# Altium PCB AltitudeDynamicsControlBoard.PcbDoc (part 1 of 3) (continued)
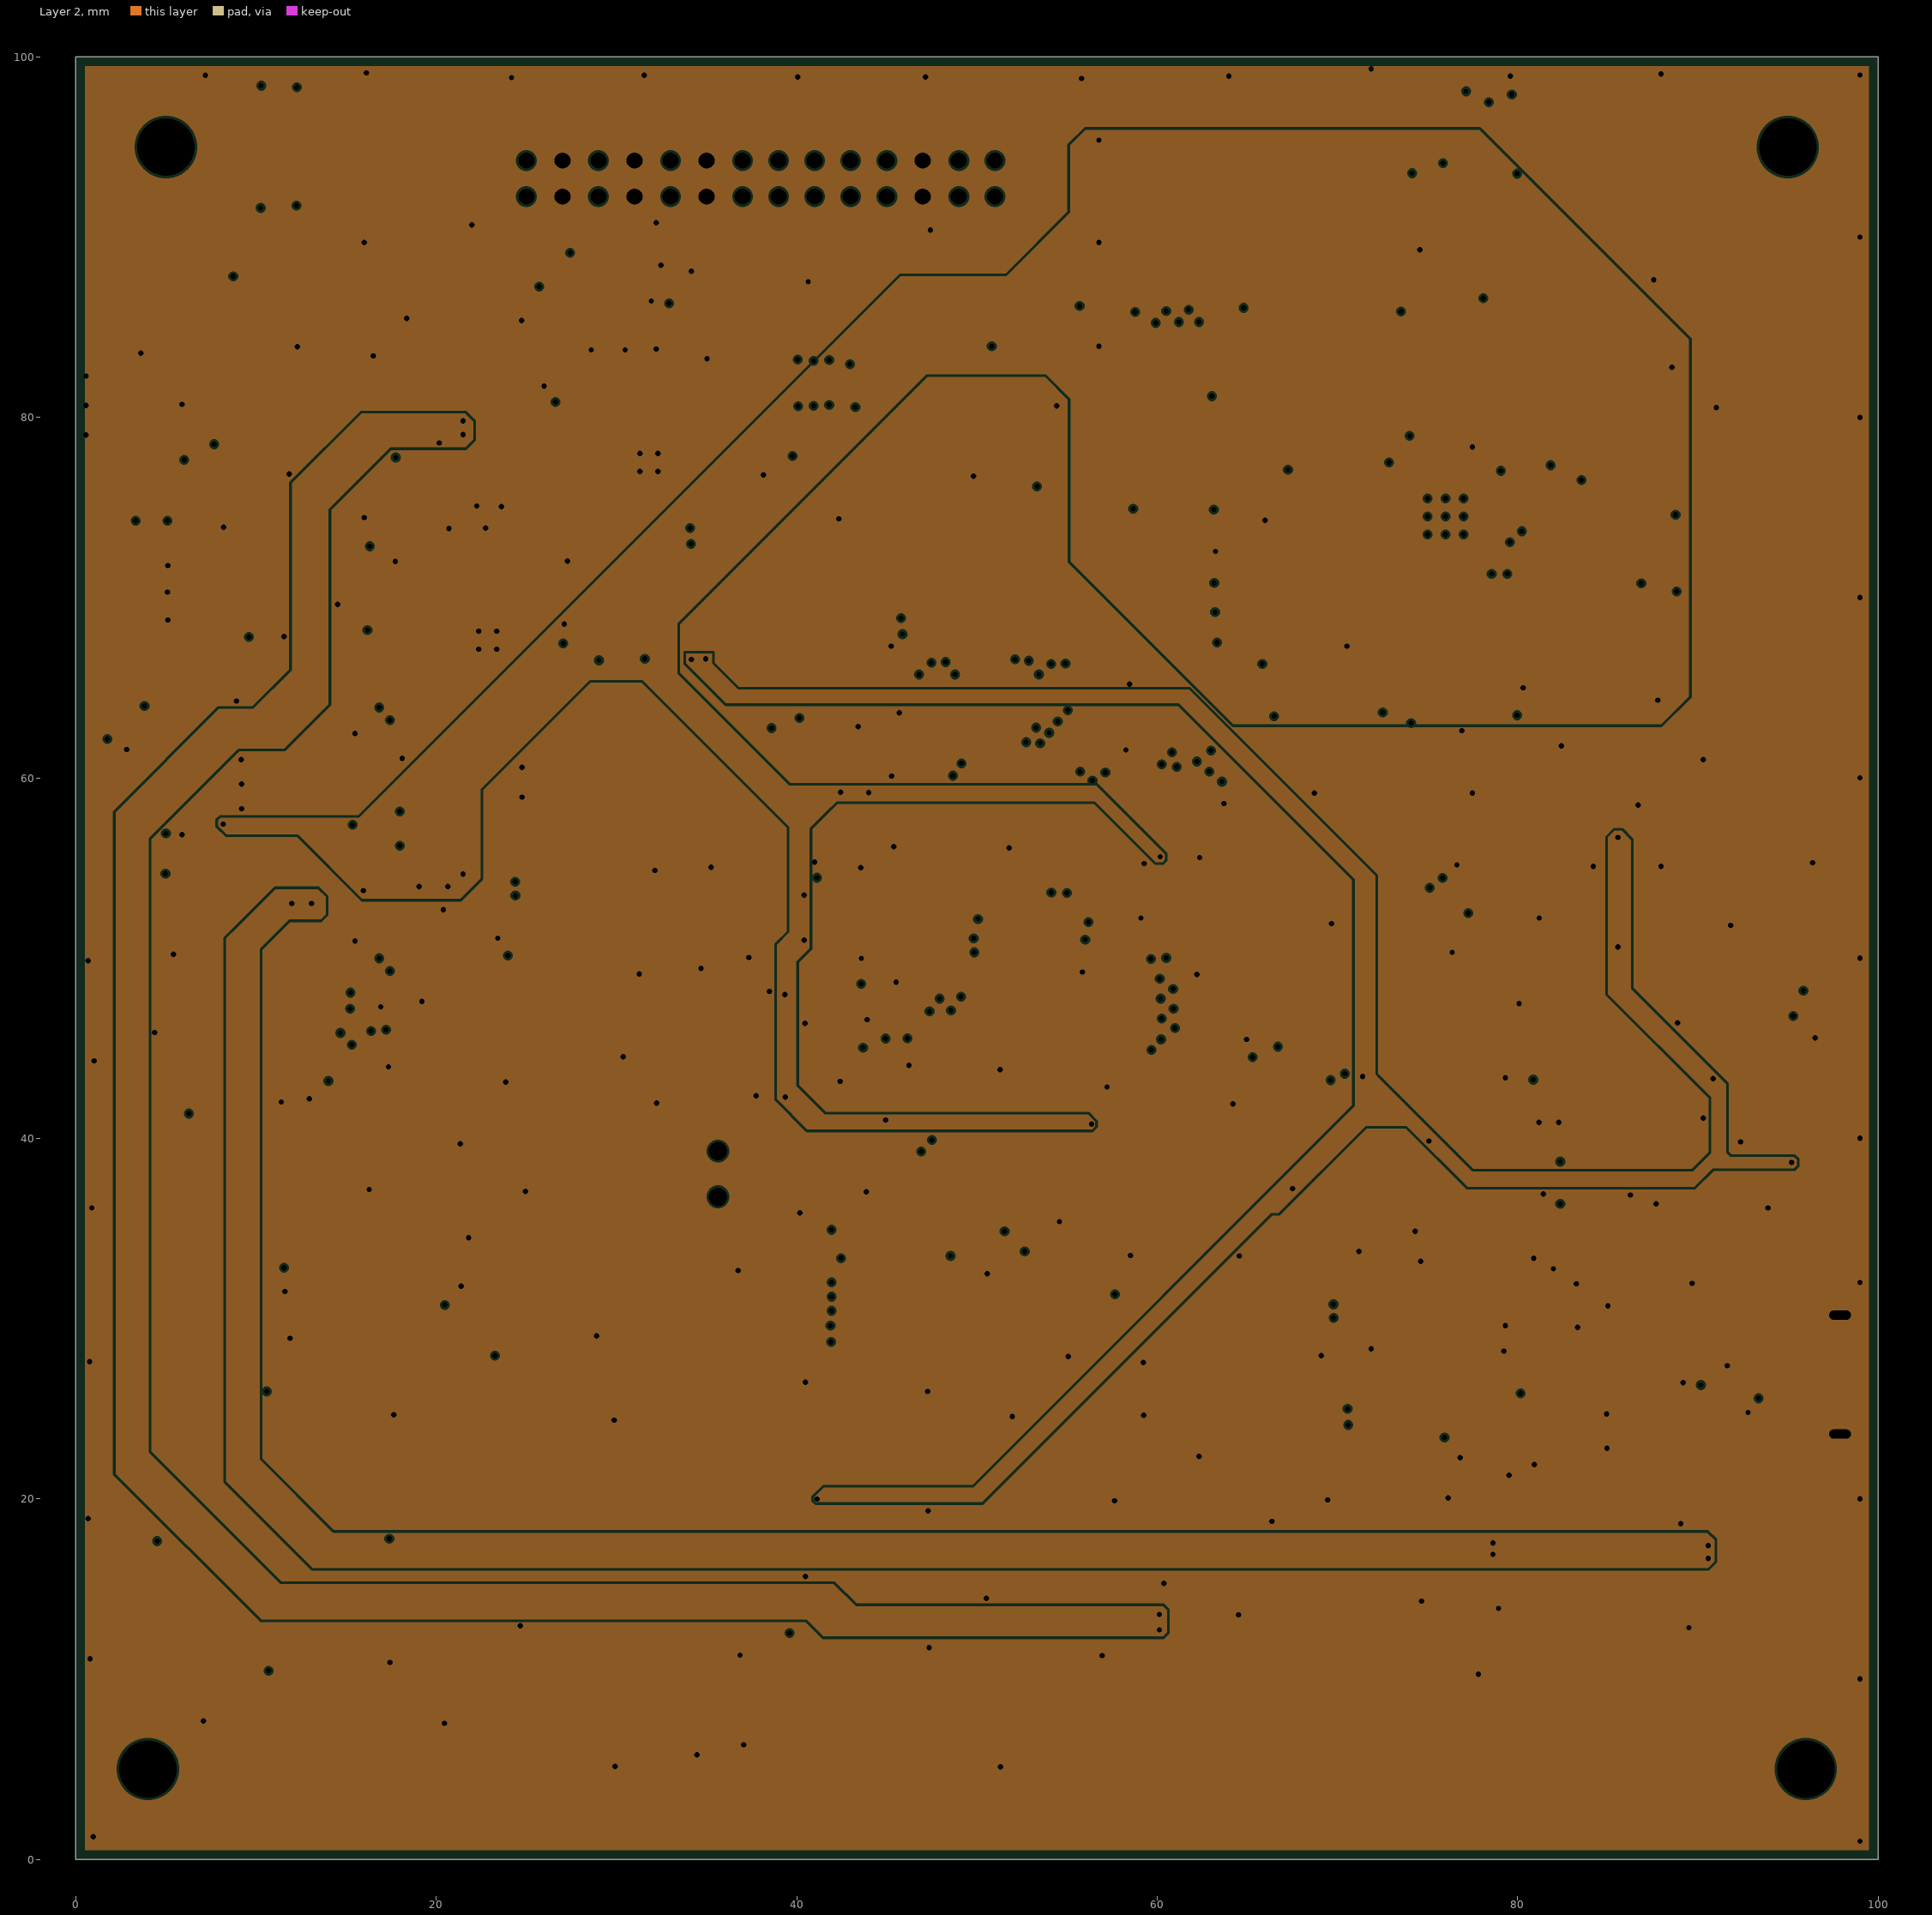
[diagram p3: Layer 2, clearances drawn from the general rule]
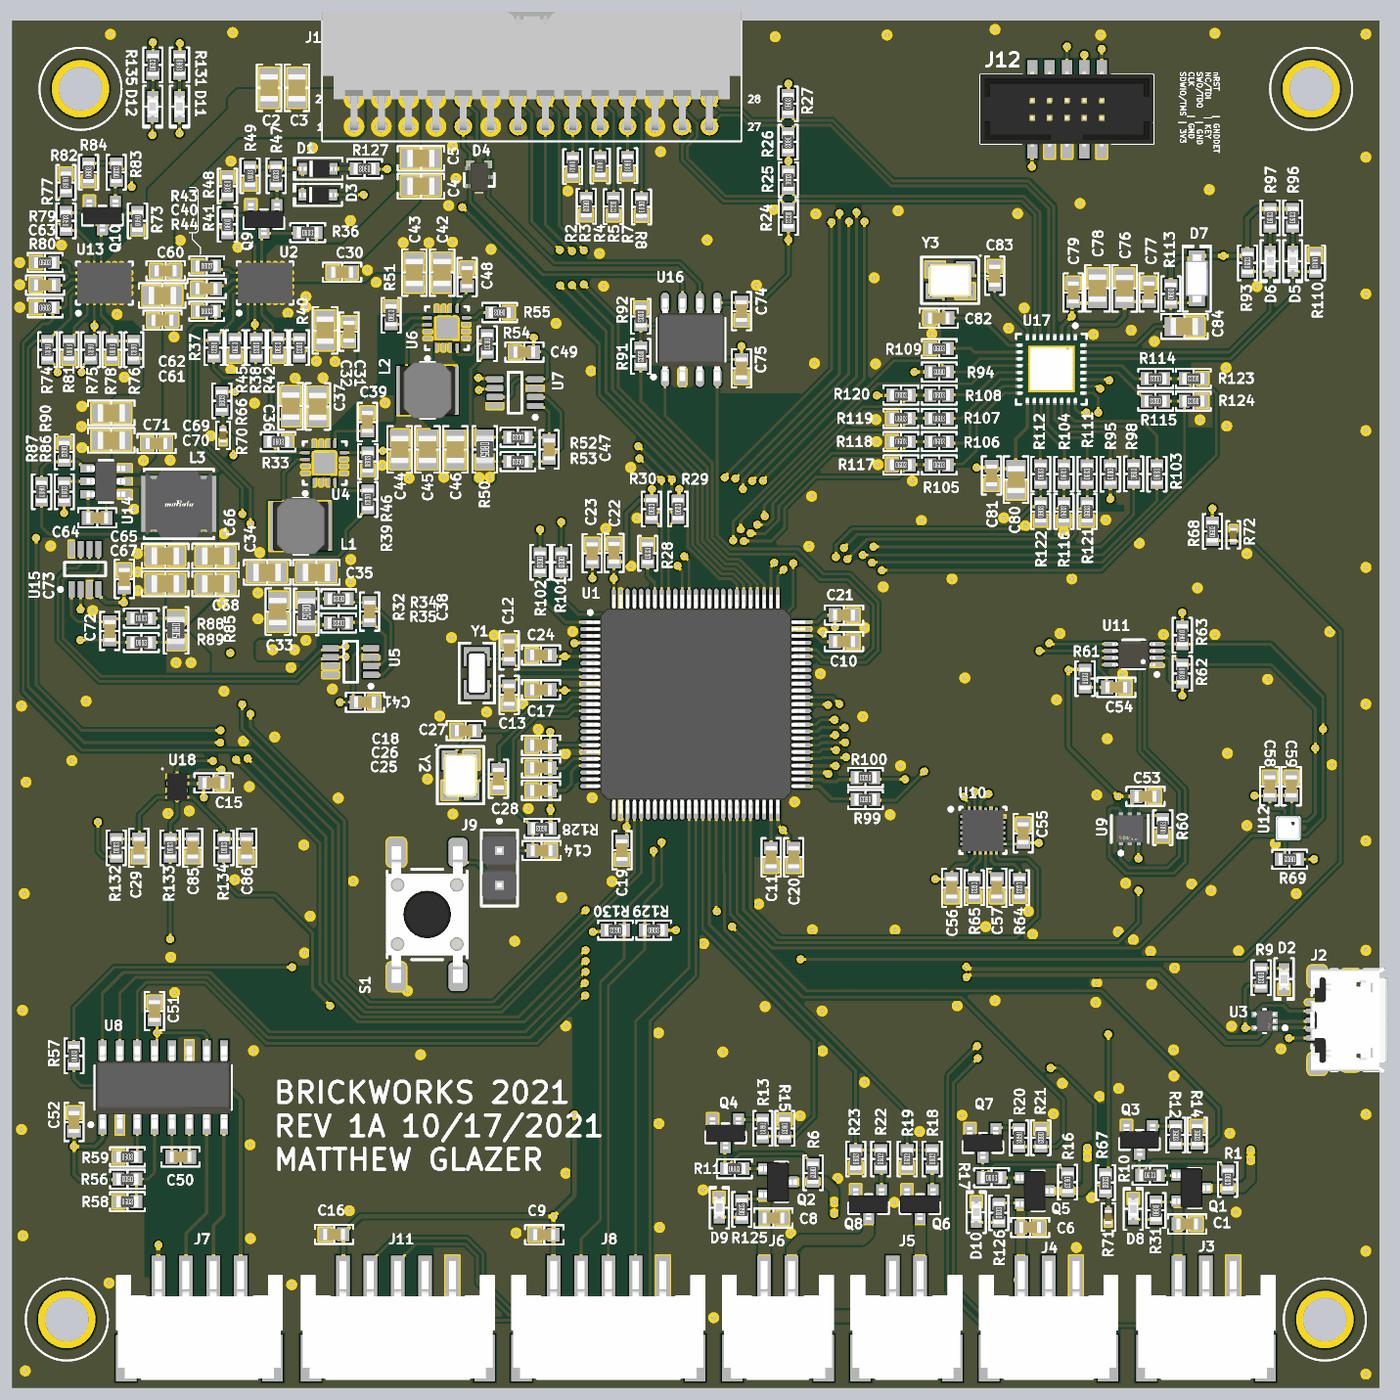
[diagram p6: 3D render of the assembled board from above, using the file's embedded part models]

## Layer stack, top to bottom
Top Solder: solder mask 0.01, SM-001, Dk 4
Top Layer: signal copper 0.041
Dielectric 2: prepreg 0.23, PP-018, Dk 4.3
Layer 1: plane copper 0.035, net GND
Dielectric 1: core 0.93, Core-028, Dk 4.3
Layer 2: plane copper 0.035, net (Multiple Nets)
Dielectric 3: prepreg 0.23, PP-018, Dk 4.3
Bottom Layer: signal copper 0.041
Bottom Solder: solder mask 0.01, SM-001, Dk 4

## Board outline
0,0 100,0 100,100 0,100

## Design rules (kind name [scope] priority, off if disabled: settings)
Clearance [All] p1: gap=0.152 ignorepadtopadclearanceinfootprint=TRUE
DiffPairsRouting DiffPairsRouting100 [InDifferentialPairClass('DIFF100')] p1: maxlimit=0.152 minlimit=0.152 mostfreqgap=0.152 toplayer_minwidth=0.208 toplayer_maxwidth=0.208 toplayer_prefwidth=0.208 bottomlayer_minwidth=0.208 bottomlayer_maxwidth=0.208 bottomlayer_prefwidth=0.208 impedanceprofiledriven=TRUE impedanceprofileid={7B3E20F4-9C80-4280-9D85-EA95160FAB16} impedanceprofilevalue=100.000000 maxuncoupledlength=12.7
DiffPairsRouting DiffPairsRouting90 [InDifferentialPairClass('DIFF90')] p2: maxlimit=0.152 minlimit=0.152 mostfreqgap=0.152 toplayer_minwidth=0.277 toplayer_maxwidth=0.277 toplayer_prefwidth=0.277 bottomlayer_minwidth=0.277 bottomlayer_maxwidth=0.277 bottomlayer_prefwidth=0.277 impedanceprofiledriven=TRUE impedanceprofileid={0C844DF8-695A-43E3-AC1D-AF0915BA2444} impedanceprofilevalue=90.000000 maxuncoupledlength=12.7
HoleSize [All] p1: absolutevalues=TRUE maxlimit=5.08 minlimit=0.254 maxpercent=80.000 minpercent=20.000
HoleToHoleClearance [All] p1: gap=0.127 allowstackedmicrovias=TRUE
MinimumAnnularRing [All] p1: minimumring=0.15
MinimumSolderMaskSliver [All] p1: minsoldermaskwidth=0.025
PlaneClearance [All] p1: clearance=0.127
PlaneConnect [All] p1: planeconnectstyle=Direct reliefexpansion=0.508 reliefentries=4 reliefconductorwidth=0.254 reliefairgap=0.254
PolygonConnect PolygonConnect_14 [All] p1: connectstyle=Direct reliefconductorwidth=0.254 reliefentries=4 polygonreliefangle="90 Angle" airgapwidth=0.254
PolygonConnect PolygonConnect_13 [All vs IsNamedPolygon('Top Layer-NetC33_2')] p2: connectstyle=Direct reliefconductorwidth=0.254 reliefentries=4 polygonreliefangle="90 Angle" airgapwidth=0.254
PolygonConnect PolygonConnect_12 [All vs IsNamedPolygon('Top Layer-NetC44_2')] p3: connectstyle=Direct reliefconductorwidth=0.254 reliefentries=4 polygonreliefangle="90 Angle" airgapwidth=0.254
PolygonConnect PolygonConnect_11 [All vs IsNamedPolygon('Top Layer-NetL1_1')] p4: connectstyle=Direct reliefconductorwidth=0.254 reliefentries=4 polygonreliefangle="90 Angle" airgapwidth=0.254
PolygonConnect PolygonConnect_10 [All vs IsNamedPolygon('Bot Layer-GND')] p5: connectstyle=Direct reliefconductorwidth=0.254 reliefentries=4 polygonreliefangle="90 Angle" airgapwidth=0.254
PolygonConnect PolygonConnect_9 [All vs IsNamedPolygon('Top Layer-NetL2_1')] p6: connectstyle=Direct reliefconductorwidth=0.254 reliefentries=4 polygonreliefangle="90 Angle" airgapwidth=0.254
PolygonConnect PolygonConnect_8 [All vs IsNamedPolygon('Top Layer-NetC65_2')] p7: connectstyle=Direct reliefconductorwidth=0.254 reliefentries=4 polygonreliefangle="90 Angle" airgapwidth=0.254
PolygonConnect PolygonConnect_7 [All vs IsNamedPolygon('Top Layer-+12')] p8: connectstyle=Direct reliefconductorwidth=0.254 reliefentries=4 polygonreliefangle="90 Angle" airgapwidth=0.254
PolygonConnect PolygonConnect_6 [All vs IsNamedPolygon('Top Layer-+12')] p9: connectstyle=Relief reliefconductorwidth=0.254 reliefentries=4 polygonreliefangle="90 Angle" airgapwidth=0.254
PolygonConnect PolygonConnect_5 [All vs IsNamedPolygon('Top Layer-+5')] p10: connectstyle=Direct reliefconductorwidth=0.254 reliefentries=4 polygonreliefangle="90 Angle" airgapwidth=0.254
PolygonConnect PolygonConnect_4 [All vs IsNamedPolygon('Top Layer-+5_Supply')] p11: connectstyle=Direct reliefconductorwidth=0.254 reliefentries=4 polygonreliefangle="90 Angle" airgapwidth=0.254
PolygonConnect PolygonConnect_3 [All vs IsNamedPolygon('Top Layer-+12_Supply')] p12: connectstyle=Direct reliefconductorwidth=0.254 reliefentries=4 polygonreliefangle="90 Angle" airgapwidth=0.254
PolygonConnect PolygonConnect_2 [All vs IsNamedPolygon('Top LLayer-GND')] p13: connectstyle=Direct reliefconductorwidth=0.254 reliefentries=4 polygonreliefangle="90 Angle" airgapwidth=0.254
PolygonConnect PolygonConnect_1 [All vs IsNamedPolygon('Top Layer-GND')] p14: connectstyle=Direct reliefconductorwidth=0.254 reliefentries=4 polygonreliefangle="90 Angle" airgapwidth=0.254
PolygonConnect [All] p15: connectstyle=Relief reliefconductorwidth=0.254 reliefentries=4 polygonreliefangle="90 Angle" airgapwidth=0.254
RoutingVias [All] p1: holewidth=0.508 width=0.889 viastyle="Through Hole" minholewidth=0.3 minwidth=0.55 maxholewidth=0.889 maxwidth=1.27
SilkToSilkClearance [All] p1: silktosilkclearance=0.127
SilkToSolderMaskClearance [IsPad] p1: minsilkscreentomaskgap=0.003 clearancetoexposedcopper=TRUE
SolderMaskExpansion [All] p1: expansion=0.102 istentingtop=FALSE
Width [All] p1: maxlimit=1.27 minlimit=0.152 preferedwidth=0.254
22 further rules are at their usual default settings.

## Classes and differential pairs
differential pair class DIFF100: ETH_RX ETH_TX
differential pair class DIFF90: USB_HEADER
component class Transceivers: C74 C75 C76 C77 C78 C79 C80 C81 C82 C83 C84 D4 D5 D6 D7 R91 R92 R93 R94 R95 R96 R97 R98 R103 R104 R105 R106 R107 R108 R109 R110 R111 R112 R113 R114 R115 R116 R117 R118 R119 R120 R121 R122 R123 R124 U16 U17 Y3
component class Sensors: C15 C29 C50 C51 C52 C53 C54 C55 C56 C57 C58 C59 C85 C86 R56 R57 R58 R59 R60 R61 R62 R63 R64 R65 R66 R67 R68 R69 R70 R71 R72 R132 R133 R134 U8 U9 U10 U11 U12 U18
component class Power-Supplies: C30 C31 C32 C33 C34 C35 C36 C37 C38 C39 C40 C41 C42 C43 C44 C45 C46 C47 C48 C49 D1 D3 D11 L1 L2 Q9 R32 R33 R34 R35 R36 R37 R38 R39 R40 R41 R42 R43 R44 R45 R46 R47 R48 R49 R50 R51 R52 R53 R54 R55 R131 U2 U4 U5 U6 U7
component class Microcontroller: C10 C11 C12 C13 C14 C17 C18 C19 C20 C21 C22 C23 C24 C25 C26 C27 C28 J9 J12 R28 R29 R30 R99 R100 R101 R102 R128 R129 R130 S1 U1 Y1 Y2
component class Interfaces: C1 C2 C3 C4 C5 C6 C8 C9 C16 D2 J1 J2 J3 J4 J5 J6 J7 J8 J11 R2 R3 R4 R5 R7 R8 R9 R24 R25 R26 R27 R127 U3
component class Controllers: D8 D9 D10 Q1 Q2 Q3 Q4 Q5 Q6 Q7 Q8 R1 R6 R10 R11 R12 R13 R14 R15 R16 R17 R18 R19 R20 R21 R22 R23 R31 R125 R126
component class 12V-Power-Supplies: C60 C61 C62 C63 C64 C65 C66 C67 C68 C69 C70 C71 C72 C73 D12 L3 Q10 R73 R74 R75 R76 R77 R78 R79 R80 R81 R82 R83 R84 R85 R86 R87 R88 R89 R90 R135 U13 U14 U15
differential pair USB_HEADER: +USB_HEADER_P -USB_HEADER_N
differential pair ETH_TX: +ETH_TX_P -ETH_TX_N
differential pair ETH_RX: +ETH_RX_P -ETH_RX_N

## Components (designator, comment, footprint, x,y, rotation, side; value= is the part's Value field where it differs from the comment)
C1 "2.2µF" "CAP 0603_1608" 85.928,11.989 r180 top
C2 "10µF" "CAP 0805_2012" 18.796,95.072 r270 top
C3 "10µF" "CAP 0805_2012" 20.828,95.072 r270 top
C4 "10µF" "CAP 0805_2012" 29.896,87.884 r180 top
C5 "10µF" "CAP 0805_2012" 29.896,89.916 r180 top
C6 "2.2µF" "CAP 0603_1608" 74.447,11.735 r180 top
C8 "2.2µF" "CAP 0603_1608" 55.677,12.421 r180 top
C9 "0.1µF" "CAP 0603_1608" 38.913,11.201 r0 top
C10 "2.2µF" "CAP 0603_1608" 60.833,54.585 r180 top
C11 "2.2µF" "CAP 0603_1608" 55.5,38.8 r90 top
C12 "2.1pF" "CAP 0603_1608" 36.347,53.939 r270 top
C13 "2.1pF" "CAP 0603_1608" 36.347,50.673 r90 top
C14 "0.1µF" "CAP 0603_1608" 38.717,39.294 r180 top
C15 "0.1µF" "CAP 0603_1608" 14.732,44.247 r180 top
C16 "0.1µF" "CAP 0603_1608" 23.546,11.227 r0 top
C17 "0.1µF" "CAP 0603_1608" 38.684,51.054 r0 top
C18 "0.1µF" "CAP 0603_1608" 38.684,46.99 r0 top
C19 "0.1µF" "CAP 0603_1608" 44.602,39.319 r90 top
C20 "0.1µF" "CAP 0603_1608" 57.15,38.8 r90 top
C21 "0.1µF" "CAP 0603_1608" 60.833,56.515 r180 top
C22 "0.1µF" "CAP 0603_1608" 44.018,61.062 r270 top
C23 "4.7µF" "CAP 0603_1608" 42.418,61.036 r270 top
C24 "1µF" "CAP 0603_1608" 38.684,53.594 r0 top
C25 "0.1µF" "CAP 0603_1608" 38.684,43.688 r0 top
C26 "1µF" "CAP 0603_1608" 38.684,45.339 r0 top
C27 "24pF" "CAP 0603_1608" 33.172,48.057 r0 top
C28 "24pF" "CAP 0603_1608" 35.56,44.552 r90 top
C29 "0.47µF" "CAP 0603_1608" 9.271,39.497 r90 top
C30 "0.1µF" "CAP 0603_1608" 24.13,81.585 r180 top
C31 "0.1µF" "CAP 0603_1608" 24.638,77.241 r90 top
C32 "10µF" "CAP 0805_2012" 22.885,77.343 r90 top
C33 "10µF" "CAP 0805_2012" 19.431,56.769 r90 top
C34 "10µF" "CAP 0805_2012" 18.644,59.639 r0 top
C35 "10µF" "CAP 0805_2012" 22.25,59.639 r180 top
C36 "10µF" "CAP 0805_2012" 20.371,71.793 r270 top
C37 "10µF" "CAP 0805_2012" 22.352,71.768 r270 top
C38 "0.1µF" "CAP 0603_1608" 26.137,56.769 r90 top
C39 "10000pF" "CAP 0603_1608" 25.984,70.637 r270 top
C40 "1500pF" "CAP 0603_1608" 14.224,80.391 r0 top
C41 "0.1µF" "CAP 0603_1608" 25.806,50.14 r180 top
C42 "10µF" "CAP 0805_2012" 31.445,81.559 r270 top
C43 "10µF" "CAP 0805_2012" 29.413,81.559 r270 top
C44 "10µF" "CAP 0805_2012" 28.346,68.631 r90 top
C45 "10µF" "CAP 0805_2012" 30.378,68.631 r90 top
C46 "10µF" "CAP 0805_2012" 32.41,68.631 r90 top
C47 "0.1µF" "CAP 0603_1608" 39.268,68.631 r90 top
C48 "10000pF" "CAP 0603_1608" 33.274,81.229 r270 top
C49 "0.1µF" "CAP 0603_1608" 37.465,75.743 r0 top
C50 "0.1µF" "CAP 0603_1608" 12.319,16.891 r0 top
C51 "0.1µF" "CAP 0603_1608" 10.414,27.559 r270 top
C52 "0.1µF" "CAP 0603_1608" 4.521,19.446 r270 top
C53 "0.1µF" "CAP 0603_1608" 82.88,43.256 r180 top
C54 "0.1µF" "CAP 0603_1608" 80.747,51.232 r180 top
C55 "0.1µF" "CAP 0603_1608" 73.939,40.564 r270 top
C56 "0.1µF" "CAP 0603_1608" 68.707,36.576 r90 top
C57 "0.1µF" "CAP 0603_1608" 72.009,36.576 r90 top
C58 "0.1µF" "CAP 0603_1608" 91.973,43.993 r270 top
C59 "0.1µF" "CAP 0603_1608" 93.548,43.993 r270 top
C60 "0.1µF" "CAP 0603_1608" 11.227,81.686 r180 top
C61 "0.1µF" "CAP 0603_1608" 10.998,78.08 r180 top
C62 "10µF" "CAP 0805_2012" 10.985,79.883 r180 top
C63 "1500pF" "CAP 0603_1608" 2.413,80.645 r0 top
C64 "0.1µF" "CAP 0603_1608" 6.223,63.627 r180 top
C65 "10µF" "CAP 0805_2012" 11.201,60.833 r0 top
C66 "10µF" "CAP 0805_2012" 14.884,60.833 r180 top
C67 "10µF" "CAP 0805_2012" 11.201,58.801 r0 top
C68 "10µF" "CAP 0805_2012" 14.884,58.801 r180 top
C69 "10µF" "CAP 0805_2012" 7.252,71.298 r0 top
C70 "10µF" "CAP 0805_2012" 7.252,69.291 r0 top
C71 "0.1µF" "CAP 0603_1608" 10.566,69.063 r0 top
C72 "0.1µF" "CAP 0603_1608" 7.137,55.357 r90 top
C73 "0.1µF" "CAP 0603_1608" 8.204,59.157 r270 top
C74 "0.1µF" "CAP 0603_1608" 53.34,78.74 r90 top
C75 "0.1µF" "CAP 0603_1608" 53.34,74.549 r90 top
C76 "2.2µF" "CAP 0805_2012" 81.356,80.404 r270 top
C77 "0.1µF" "CAP 0603_1608" 83.134,80.112 r270 top
C78 "22µF" "CAP 0805_2012" 79.375,80.416 r270 top
C79 "0.1µF" "CAP 0603_1608" 77.597,80.112 r270 top
C80 "22µF" "CAP 0805_2012" 73.416,66.421 r90 top
C81 "0.1µF" "CAP 0603_1608" 71.628,66.726 r90 top
C82 "24pF" "CAP 0603_1608" 67.767,78.232 r180 top
C83 "24pF" "CAP 0603_1608" 71.857,81.331 r90 top
C84 "10µF" "CAP 0805_2012" 85.725,77.622 r180 top
C85 "0.47µF" "CAP 0603_1608" 13.208,39.497 r90 top
C86 "0.47µF" "CAP 0603_1608" 17.145,39.497 r90 top
D1 "CUS08F30,H3F" SOD323 22.383,89.154 r180 top
D2 "Green" "LED 0603_1608 GREEN" 93.015,29.896 r270 top
D3 "CUS08F30,H3F" SOD323 22.352,87.249 r180 top
D4 "PESD1CAN-UX" FP-SOT323-MFG 34.163,88.544 r270 top
D5 "Green" "LED 0603_1608 GREEN" 93.65,82.398 r270 top
D6 "Green" "LED 0603_1608 GREEN" 91.999,82.398 r270 top
D7 "1N4148W RHG" SOD123F 86.639,81.135 r90 top
D8 "Green" "LED 0603_1608 GREEN" 81.991,13.094 r90 top
D9 "Green" "LED 0603_1608 GREEN" 51.714,13.183 r90 top
D10 "Green" "LED 0603_1608 GREEN" 70.51,12.852 r90 top
D11 "Green" "LED 0603_1608 GREEN" 12.243,93.701 r270 top
D12 "Green" "LED 0603_1608 GREEN" 10.287,93.701 r270 top
J1 "0878332820" 0878332820 25,94.25 r0 top
J2 "10118193-0001LF" "FCI USB 10118193-0001LF" 97.846,26.894 r270 top
J3 "S3B-PH-SM4-TB(LF)(SN)" "JST S3B-PH-SM4-TB" 87.3,3.683 r180 top
J4 "S3B-PH-SM4-TB(LF)(SN)" "JST S3B-PH-SM4-TB" 75.8,3.683 r180 top
J5 "S2B-PH-SM4-TB(LF)(SN)" "JST S2B-PH-SM4-TB" 65.4,3.683 r180 top
J6 "S2B-PH-SM4-TB(LF)(SN)" "JST S2B-PH-SM4-TB" 56,3.683 r180 top
J7 "S4B-PH-SM4-TB(LF)(SN)" "JST S4B-PH-SM4-TB" 13.7,3.683 r180 top
J8 "S5B-PH-SM4-TB(LF)(SN)" "JST S5B-PH-SM4-TB" 43.6,3.683 r180 top
J9 "M20-9990246" FP-M20-9990246-MFG 35.636,38.024 r270 top
J11 "S5B-PH-SM4-TB(LF)(SN)" "JST S5B-PH-SM4-TB" 28.2,3.683 r180 top
J12 "3221-10-0300-00" "CNC TECH 3221-10-0300-00" 77.14,93.51 r90 top
L1 "2.2µH" "BOURNS SRN4018" 21.107,63.017 r180 top
L2 "2.2µH" "BOURNS SRN4018" 30.378,72.949 r180 top
L3 "LQH5BPN3R3N38L" FP-LQH5BPN_38-MFG 12.192,64.643 r0 top
Q1 "DMP3056L-7" "DIODES SOT-23-3" 86.233,14.605 r0 top
Q2 "DMP3056L-7" "DIODES SOT-23-3" 56.007,15.062 r0 top
Q3 "NTR4003NT1G" "ON SEMI SOT-23-3" 82.448,18.136 r270 top
Q4 "NTR4003NT1G" "ON SEMI SOT-23-3" 52.172,18.618 r270 top
Q5 "DMP3056L-7" "DIODES SOT-23-3" 74.778,14.402 r0 top
Q6 "NTR4003NT1G" "ON SEMI SOT-23-3" 66.396,13.437 r270 top
Q7 "NTR4003NT1G" "ON SEMI SOT-23-3" 70.993,17.907 r270 top
Q8 "NTR4003NT1G" "ON SEMI SOT-23-3" 62.636,13.437 r270 top
Q9 "NTR4003NT1G" "ON SEMI SOT-23-3" 18.415,85.471 r270 top
Q10 "NTR4003NT1G" "ON SEMI SOT-23-3" 6.604,85.725 r270 top
R1 "10 kOhms" "RES 0603_1608" 88.9,15.24 r270 top
R2 "10 kOhms" "RES 0603_1608" 40.996,89.306 r270 top
R3 "10 kOhms" "RES 0603_1608" 41.986,86.411 r270 top
R4 "10 kOhms" "RES 0603_1608" 43.002,89.357 r270 top
R5 "10 kOhms" "RES 0603_1608" 43.967,86.385 r270 top
R6 "10 kOhms" "RES 0603_1608" 58.572,15.723 r270 top
R7 "10 kOhms" "RES 0603_1608" 45.009,89.383 r270 top
R8 "10 kOhms" "RES 0603_1608" 46.025,86.36 r270 top
R9 "590 Ohms" "RES 0603_1608" 91.338,29.997 r270 top
R10 "50 Ohms" "RES 0603_1608" 83.21,15.545 r0 top
R11 "50 Ohms" "RES 0603_1608" 52.832,16.027 r0 top
R12 "50 Ohms" "RES 0603_1608" 85.09,18.491 r270 top
R13 "50 Ohms" "RES 0603_1608" 54.889,18.974 r270 top
R14 "10 kOhms" "RES 0603_1608" 86.665,18.491 r270 top
R15 "10 kOhms" "RES 0603_1608" 56.515,18.974 r270 top
R16 "10 kOhms" "RES 0603_1608" 77.191,15.037 r270 top
R17 "50 Ohms" "RES 0603_1608" 71.628,15.367 r0 top
R18 "50 Ohms" "RES 0603_1608" 67.285,16.739 r90 top
R19 "10 kOhms" "RES 0603_1608" 65.456,16.739 r90 top
R20 "50 Ohms" "RES 0603_1608" 73.635,18.288 r270 top
R21 "10 kOhms" "RES 0603_1608" 75.235,18.288 r270 top
R22 "50 Ohms" "RES 0603_1608" 63.525,16.739 r90 top
R23 "10 kOhms" "RES 0603_1608" 61.697,16.739 r90 top
R24 "50 Ohms" "RES 0603_1608" 56.769,85.598 r270 top
R25 "50 Ohms" "RES 0603_1608" 56.769,88.341 r90 top
R26 "50 Ohms" "RES 0603_1608" 56.744,91.11 r270 top
R27 "50 Ohms" "RES 0603_1608" 56.744,93.904 r90 top
R28 "10 kOhms" "RES 0603_1608" 46.482,61.036 r90 top
R29 "4.7 kOhms" "RES 0603_1608" 48.692,64.262 r90 top
R30 "4.7 kOhms" "RES 0603_1608" 46.761,64.262 r90 top
R31 "1 kOhms" "RES 0603_1608" 83.642,12.979 r90 top
R32 "240 mOhms" "RES 0805_2012" 21.514,56.744 r270 top
R33 "10 kOhms" "RES 0603_1608" 19.456,69.19 r0 top
R34 "10 Ohms" "RES 0603_1608" 23.886,57.709 r180 top
R35 "10 Ohms" "RES 0603_1608" 23.876,55.931 r180 top
R36 "140 kOhms" "RES 0603_1608" 21.615,84.48 r0 top
R37 "10 kOhms" "RES 0603_1608" 14.757,76.073 r270 top
R38 "10 kOhms" "RES 0603_1608" 17.856,76.073 r270 top
R39 "100 kOhms" "RES 0603_1608" 26.01,64.973 r270 top
R40 "180 kOhms" "RES 0603_1608" 21.006,76.073 r270 top
R41 "7.15 kOhms" "RES 0603_1608" 15.748,85.09 r90 top
R42 "47.5 kOhms" "RES 0603_1608" 19.431,76.073 r90 top
R43 "150 kOhms" "RES 0603_1608" 14.224,82.042 r0 top
R44 "63.4 kOhms" "RES 0603_1608" 14.224,78.74 r0 top
R45 "10 kOhms" "RES 0603_1608" 16.307,76.073 r90 top
R46 "10 kOhms" "RES 0603_1608" 26.01,67.742 r90 top
R47 "50 Ohms" "RES 0603_1608" 19.304,88.646 r90 top
R48 "32.4 kOhms" "RES 0603_1608" 15.748,87.884 r270 top
R49 "10 kOhms" "RES 0603_1608" 17.399,88.646 r90 top
R50 "240 mOhms" "RES 0805_2012" 34.569,68.631 r270 top
R51 "10 kOhms" "RES 0603_1608" 27.711,78.435 r90 top
R52 "10 Ohms" "RES 0603_1608" 36.982,69.52 r180 top
R53 "10 Ohms" "RES 0603_1608" 36.982,67.742 r180 top
R54 "100 kOhms" "RES 0603_1608" 34.747,76.352 r270 top
R55 "10 kOhms" "RES 0603_1608" 35.662,78.638 r180 top
R56 "10 kOhms" "RES 0603_1608" 8.433,15.265 r180 top
R57 "0 Ohms" "RES 0603_1608" 4.521,24.282 r90 top
R58 "10 kOhms" "RES 0603_1608" 8.433,13.614 r0 top
R59 "10 kOhms" "RES 0603_1608" 8.433,16.891 r0 top
R60 "10 kOhms" "RES 0603_1608" 84.15,40.97 r90 top
R61 "200 kOhms" "RES 0603_1608" 78.461,51.867 r90 top
R62 "4.7 kOhms" "RES 0603_1608" 85.573,52.248 r270 top
R63 "4.7 kOhms" "RES 0603_1608" 85.573,55.042 r90 top
R64 "10 kOhms" "RES 0603_1608" 73.66,36.576 r270 top
R65 "10 kOhms" "RES 0603_1608" 70.358,36.576 r270 top
R66 "10 kOhms" "RES 0603_1608" 15.342,72.176 r90 top
R67 "10 kOhms" "RES 0603_1608" 79.959,15.011 r90 top
R68 "10 kOhms" "RES 0603_1608" 87.782,62.636 r90 top
R69 "10 kOhms" "RES 0603_1608" 93.421,38.659 r180 top
R70 "10 kOhms" "PTC 0402_1005" 15.418,69.647 r90 top
R71 "10 kOhms" "PTC 0402_1005" 80.162,12.497 r90 top
R72 "10 kOhms" "PTC 0402_1005" 89.306,62.382 r270 top
R73 "392 kOhms" "RES 0603_1608" 9.169,85.344 r270 top
R74 "10 kOhms" "RES 0603_1608" 2.591,75.921 r270 top
R75 "10 kOhms" "RES 0603_1608" 5.74,75.921 r270 top
R76 "475 kOhms" "RES 0603_1608" 8.89,75.921 r270 top
R77 "7.15 kOhms" "RES 0603_1608" 3.937,85.344 r90 top